# KiCad board Beacon_Multiboard.kicad_pcb
title: Beacon; date: 2023-09-02; rev: 1; company: Beep Boop
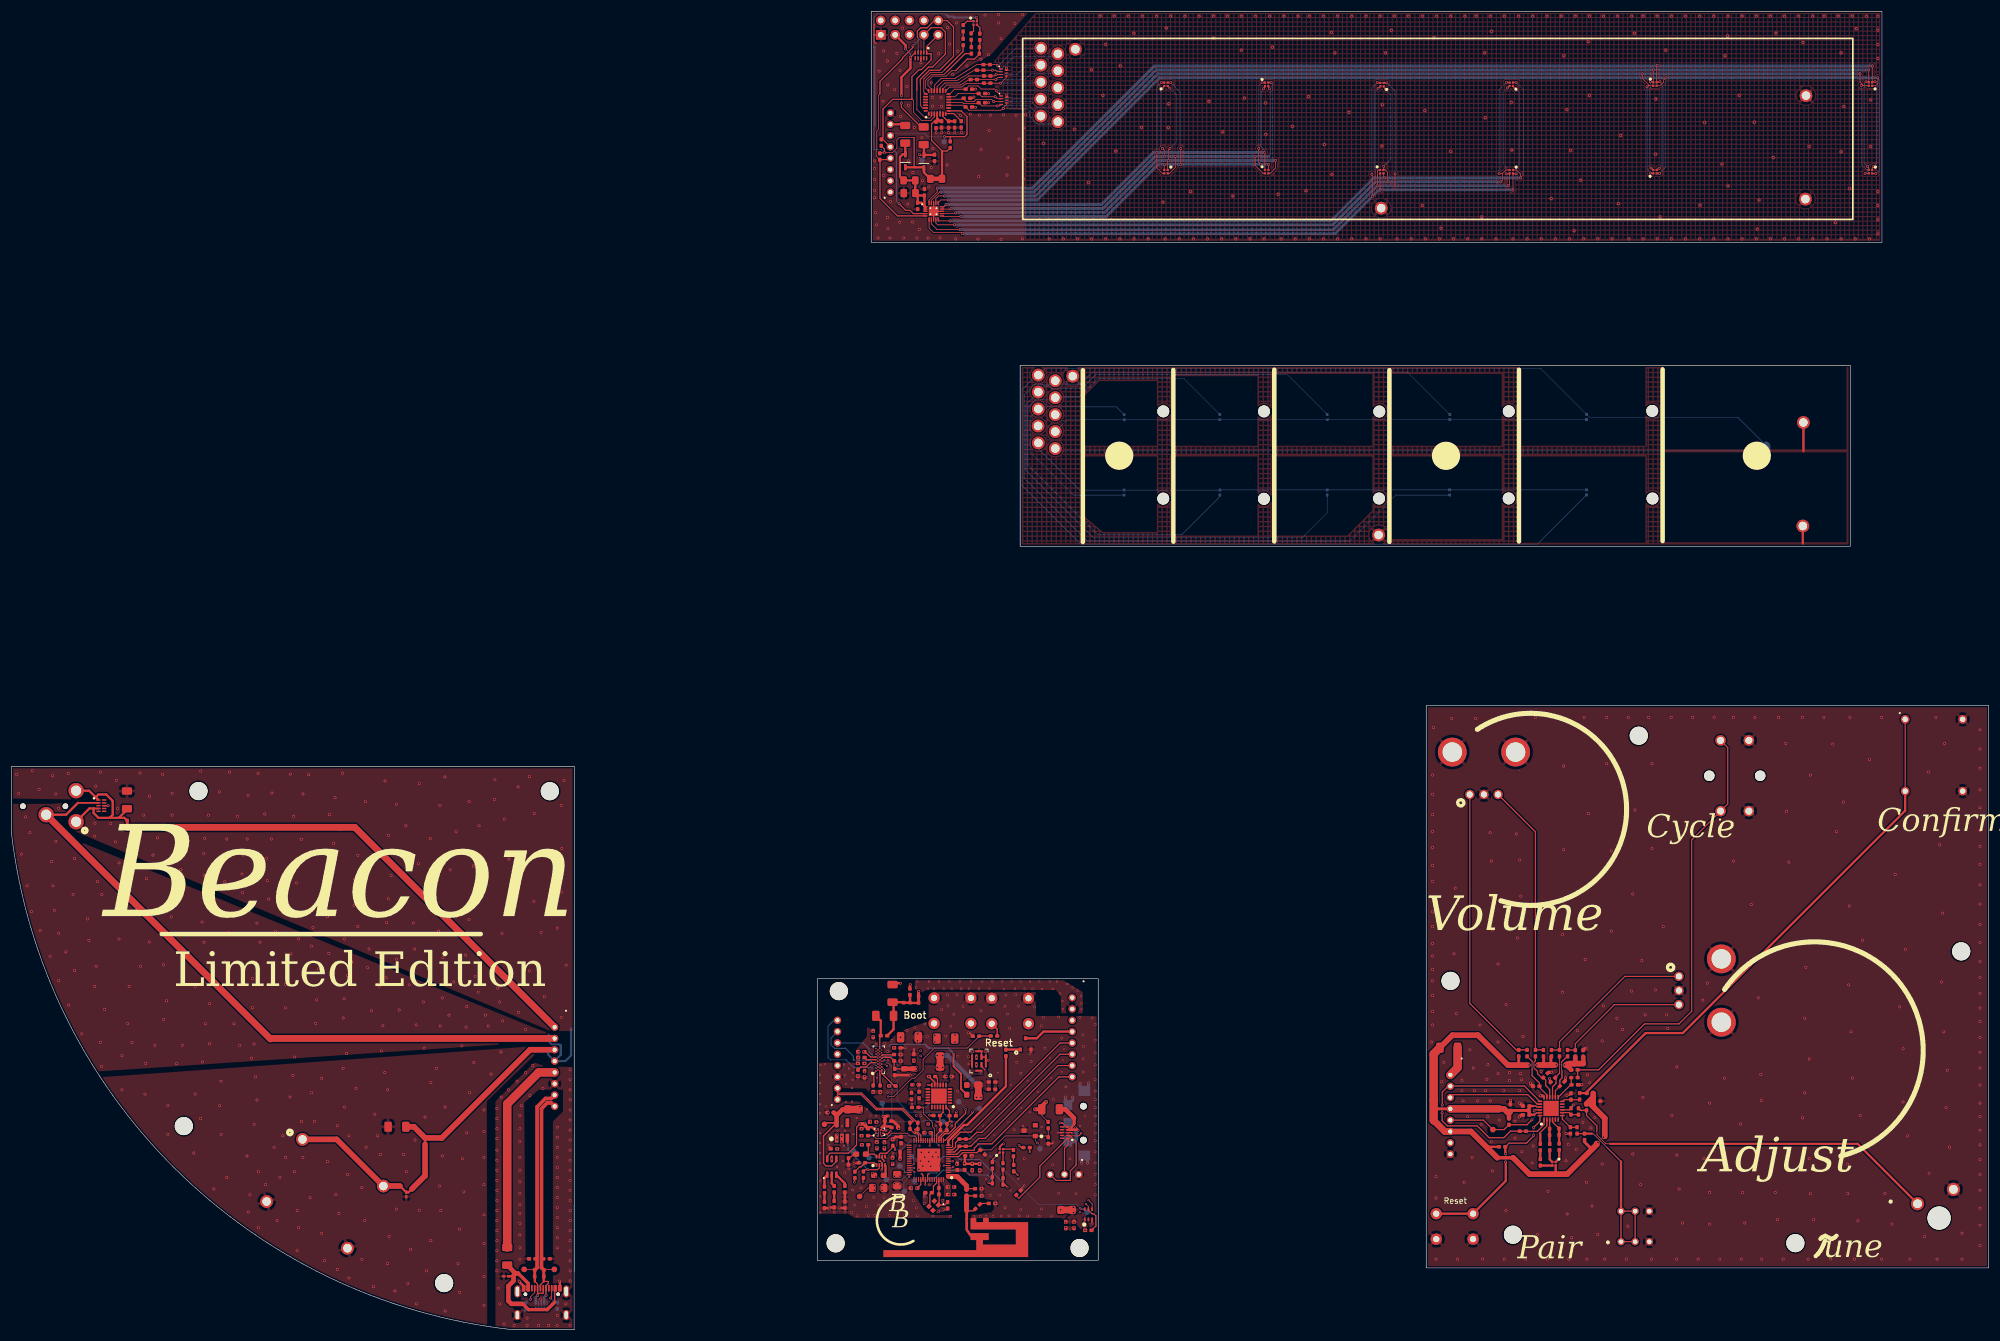
[diagram p0: board, top side]
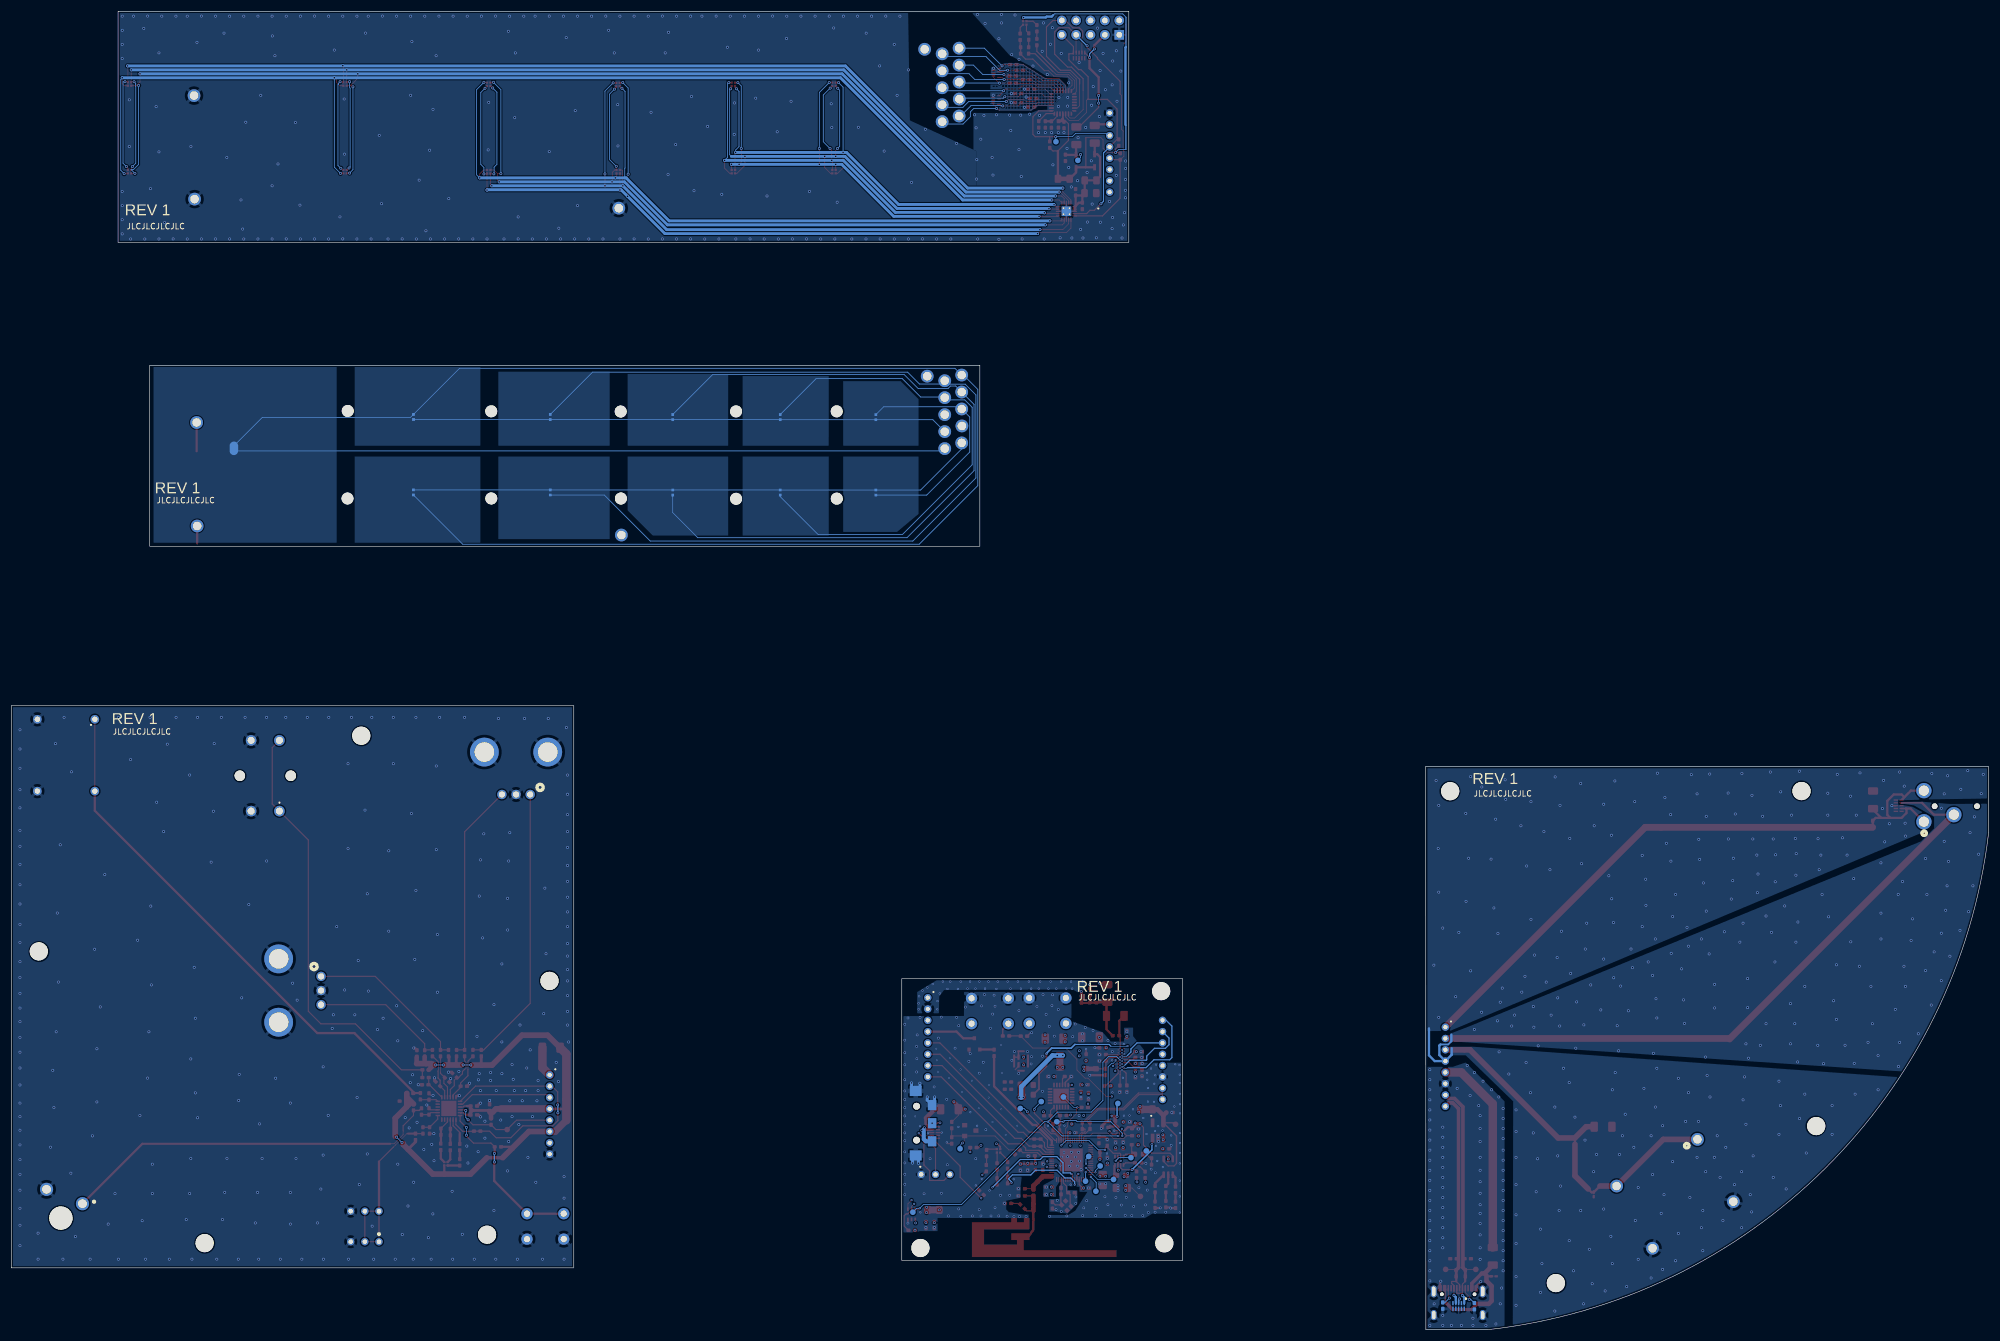
[diagram p1: board, bottom side, seen from below]

Outline 349.59 x 233.11 mm; copper layers: Top, In1.Cu, In2.Cu, In3.Cu, In4.Cu, Bottom. Coordinates in mm from the lower left corner of the outline.
Outline path: rectangle 142.49,62.07 192.16,12.24 ; rectangle 152.03,233.11 330.72,192.21 ; rectangle 178.36,170.52 325.13,138.52 ; rectangle 250.15,110.37 349.59,10.93 ; 0,99.57 99.54,99.57 99.5,0 88.58,0 arc(28.95,28.47) 0.01,87.88 0,99.57
Stack: Top 0.035mm / dielectric 0.1mm FR4 er 4.5 / In1.Cu 0.035mm / dielectric 0.535mm FR4 er 4.5 / In2.Cu 0.035mm / dielectric 0.1mm FR4 er 4.5 / In3.Cu 0.035mm / dielectric 0.535mm FR4 er 4.5 / In4.Cu 0.035mm / dielectric 0.1mm FR4 er 4.5 / Bottom 0.035mm

## Placement (name value [footprint] x y rotation side)
AE801  F-ANTENNA  [2.4GHz_Inverted_F_Antenna]  154.19 12.84 180 top
Audio  -  [Board]  99.24 99.55 0 top
C301  1u00_0402_10  [0402_1005Metric_Handsolder]  277.88 48.84 270 top
C302  1u00_0402_10  [0402_1005Metric_Handsolder]  280.37 40.41 180 top
C303  1u00_0402_10  [0402_1005Metric_Handsolder]  161.43 201.11 270 top
C401  100n_0402_16  [0402_1005Metric_Handsolder]  160.23 198.7 90 top
C402  10u0_0805_16  [0805_2012Metric_Handsolder]  158.84 200.98 0 top
C403  1u00_0402_10  [0402_1005Metric_Handsolder]  163.48 213.02 90 top
C404  1u00_0402_10  [0402_1005Metric_Handsolder]  163.23 207.2 90 top
C405  10n0_0402_25  [0402_1005Metric_Handsolder]  164.47 213.12 90 top
C406  ????_0402_25  [0402_1005Metric_Handsolder]  169.28 216.19 180 top
C407  100n_0402_16  [0402_1005Metric_Handsolder]  166.78 213.1 90 top
C408  1u00_0402_10  [0402_1005Metric_Handsolder]  165.71 213.1 90 top
C409  100n_0402_16  [0402_1005Metric_Handsolder]  167.95 213.12 90 top
C410  ????_0402_25  [0402_1005Metric_Handsolder]  171.59 216.95 180 top
C411  ????_0402_25  [0402_1005Metric_Handsolder]  168.95 217.74 180 top
C412  ????_0402_25  [0402_1005Metric_Handsolder]  171.59 218.58 180 top
C413  ????_0402_25  [0402_1005Metric_Handsolder]  169.28 219.34 180 top
C501  4u70_0402_10  [0402_1005Metric_Handsolder]  154.35 32.59 270 top
C502  10u0_0805_16  [0805_2012Metric_Handsolder]  153.23 25.04 180 top
C503  10u0_0805_16  [0805_2012Metric_Handsolder]  156.6 26.47 90 top
C504  1u00_0402_10  [0402_1005Metric_Handsolder]  150.88 35.56 0 top
C505  1u00_0402_10  [0402_1005Metric_Handsolder]  152.37 36.72 0 top
C506  1u00_0402_10  [0402_1005Metric_Handsolder]  154.99 36.88 180 top
C507  100n_0402_16  [0402_1005Metric_Handsolder]  155.84 33.09 90 top
C508  100n_0402_16  [0402_1005Metric_Handsolder]  171.72 31.38 135 top
C509  1u00_1206_10_T  [1206_3216Metric_Handsolder]  20.44 93.7 90 top
C511  ????_0402_10  [0402_1005Metric_Handsolder]  153.03 32.62 270 top
C512  ????_0402_10  [0402_1005Metric_Handsolder]  155.82 29.86 270 top
C513  ????_0402_10  [0402_1005Metric_Handsolder]  156.19 35.76 180 top
C514  1u00_1206_10_T  [1206_3216Metric_Handsolder]  68.16 35.89 180 top
C531  ????_0402_25  [0402_1005Metric_Handsolder]  92.1 12.54 0 top
C532  ????_0402_25  [0402_1005Metric_Handsolder]  94.63 12.54 180 top
C533  1u00_0402_10  [0402_1005Metric_Handsolder]  145.45 31.98 0 top
C534  1u00_0402_10  [0402_1005Metric_Handsolder]  144.83 38.4 0 top
C601  ????_0402_25  [0402_1005Metric_Handsolder]  159.56 48.14 270 top
C602  ????_0402_25  [0402_1005Metric_Handsolder]  156.19 45.56 90 top
C603  1u00_0402_10  [0402_1005Metric_Handsolder]  156.64 47.51 180 top
C604  1u00_0402_10  [0402_1005Metric_Handsolder]  150.27 49.14 0 top
C605  1u00_0402_10  [0402_1005Metric_Handsolder]  152.37 52.27 270 top
C606  1u00_0402_10  [0402_1005Metric_Handsolder]  150.85 45.17 90 top
C607  1u00_1206_10_T  [1206_3216Metric_Handsolder]  154.43 55.49 0 top
C608  1u00_0402_10  [0402_1005Metric_Handsolder]  154.28 51.98 0 top
C609  1u00_0402_10  [0402_1005Metric_Handsolder]  158.87 59.75 90 top
C610  1u00_1206_10_T  [1206_3216Metric_Handsolder]  155.8 59.48 90 top
C611  1u00_1206_10_T  [1206_3216Metric_Handsolder]  158.8 51.7 0 top
C612  1u00_0402_10  [0402_1005Metric_Handsolder]  156.65 49.83 0 top
C613  1u00_0402_10  [0402_1005Metric_Handsolder]  155.76 43.1 0 top
C614  1u00_0402_10  [0402_1005Metric_Handsolder]  149.68 45.39 90 top
C615  1u00_0402_10  [0402_1005Metric_Handsolder]  150.28 48.12 0 top
C616  1u00_0402_10  [0402_1005Metric_Handsolder]  150.25 47.08 0 top
C617  1u00_0402_10  [0402_1005Metric_Handsolder]  152.37 42.62 90 top
C618  1u00_0402_10  [0402_1005Metric_Handsolder]  153.6 42.6 90 top
C619  1u00_0402_10  [0402_1005Metric_Handsolder]  156.64 48.65 180 top
C701  1u00_0402_10  [0402_1005Metric_Handsolder]  166.14 25.22 180 top
C702  100n_0402_16  [0402_1005Metric_Handsolder]  166.17 23.89 180 top
C703  100n_0402_16  [0402_1005Metric_Handsolder]  161.99 34.81 0 top
C704  ????_0402_10  [0402_1005Metric_Handsolder]  171.2 28.74 90 top
C705  1u00_0402_10  [0402_1005Metric_Handsolder]  169.89 28.77 90 top
C706  100n_0402_16  [0402_1005Metric_Handsolder]  169.21 30.74 180 top
C707  100n_0402_16  [0402_1005Metric_Handsolder]  167.24 28.8 270 top
C708  100n_0402_16  [0402_1005Metric_Handsolder]  157.3 33.53 270 top
C709  100n_0402_16  [0402_1005Metric_Handsolder]  159.61 25.04 0 top
C710  3p90_0402_25  [0402_1005Metric_Handsolder]  165.53 21.99 90 top
C711  3p90_0402_25  [0402_1005Metric_Handsolder]  162.16 24.22 0 top
C801  100n_0402_16  [0402_1005Metric_Handsolder]  170.56 51.9 0 top
C802  3p30_0402_50_N  [0402_1005Metric_Handsolder]  170.98 23.66 180 top
C803  3p60_0402_50_N  [0402_1005Metric_Handsolder]  170.95 24.93 180 top
C804  100n_0402_16  [0402_1005Metric_Handsolder]  173.38 22.32 180 top
C1001  100n_0402_16  [0402_1005Metric_Handsolder]  160.49 41.51 90 top
C1002  4u70_0402_10  [0402_1005Metric_Handsolder]  159.86 43.31 0 top
C1003  10n0_0402_25  [0402_1005Metric_Handsolder]  165.7 44.76 180 top
C1004  1u00_0402_10  [0402_1005Metric_Handsolder]  162.78 44.76 0 top
C1005  ????_0402_10  [0402_1005Metric_Handsolder]  159.15 41.3 90 top
C1101  4u70_0402_10  [0402_1005Metric_Handsolder]  187.88 18.51 90 top
C1102  100n_0402_16  [0402_1005Metric_Handsolder]  186.43 18.51 90 top
C1201  4u70_0402_10  [0402_1005Metric_Handsolder]  173.39 43.8 180 top
C1202  100n_0402_16  [0402_1005Metric_Handsolder]  173.38 42.52 180 top
C1401  100n_0402_16  [0402_1005Metric_Handsolder]  276.41 43.3 180 top
C1402  100n_0402_16  [0402_1005Metric_Handsolder]  275.75 41.23 270 top
C1403  100n_0402_16  [0402_1005Metric_Handsolder]  275.64 35.23 90 top
C1404  100n_0402_16  [0402_1005Metric_Handsolder]  275.75 38.59 270 top
C1405  10n0_0402_25  [0402_1005Metric_Handsolder]  269.6 43.05 0 top
C1406  10n0_0402_25  [0402_1005Metric_Handsolder]  271.22 44.98 225 top
C1407  10n0_0402_25  [0402_1005Metric_Handsolder]  272.55 44.17 45 top
C1408  10n0_0402_25  [0402_1005Metric_Handsolder]  274.17 43.46 225 top
C1501  100n_0402_16  [0402_1005Metric_Handsolder]  267.82 37.97 0 top
C1502  100n_0402_16  [0402_1005Metric_Handsolder]  265.03 39.27 270 top
C1503  1u00_0402_10  [0402_1005Metric_Handsolder]  267.82 39.55 0 top
C1603  ~  [TOUCH_SENSE]  278.49 161.38 270 bottom
C1604  ~  [TOUCH_SENSE]  254.31 161.37 270 bottom
C1605  ~  [TOUCH_SENSE]  232.66 161.36 270 bottom
C1606  ~  [TOUCH_SENSE]  213.65 161.36 270 bottom
C1607  ~  [TOUCH_SENSE]  196.75 161.34 270 bottom
C1609  ~  [TOUCH_SENSE]  278.5 148.04 90 bottom
C1610  ~  [TOUCH_SENSE]  254.3 148.03 90 bottom
C1611  ~  [TOUCH_SENSE]  232.66 148.02 90 bottom
C1612  ~  [TOUCH_SENSE]  213.65 148.02 90 bottom
C1613  ~  [TOUCH_SENSE]  196.75 148.01 90 bottom
C1618  ~  [TOUCH_SENSE]  310.24 155.83 270 bottom
D401  UHD1110  [UHD1110FKACL1A13r3q1BBQFMF3]  242.34 220.15 180 top
D402  UHD1110  [UHD1110FKACL1A13r3q1BBQFMF3]  242.29 204.75 0 top
D403  UHD1110  [UHD1110FKACL1A13r3q1BBQFMF3]  265.19 220.2 180 top
D404  UHD1110  [UHD1110FKACL1A13r3q1BBQFMF3]  265.19 204.75 270 top
D405  UHD1110  [UHD1110FKACL1A13r3q1BBQFMF3]  204.14 220.2 90 top
D406  UHD1110  [UHD1110FKACL1A13r3q1BBQFMF3]  204.14 204.75 270 top
D407  UHD1110  [UHD1110FKACL1A13r3q1BBQFMF3]  221.94 220.2 0 top
D408  UHD1110  [UHD1110FKACL1A13r3q1BBQFMF3]  221.94 204.75 0 top
D409  UHD1110  [UHD1110FKACL1A13r3q1BBQFMF3]  290.59 220.25 0 top
D410  UHD1110  [UHD1110FKACL1A13r3q1BBQFMF3]  290.59 204.75 90 top
D411  UHD1110  [UHD1110FKACL1A13r3q1BBQFMF3]  328.69 220.25 180 top
D412  UHD1110  [UHD1110FKACL1A13r3q1BBQFMF3]  328.69 204.75 270 top
D413  1N4148WX-TP  [SOD2512X115N]  158.07 206.69 90 top
D414  1N4148WX-TP  [SOD2512X115N]  161.35 206.51 90 top
D415  PESD4USB5B  [PESD4USB5BTBSX]  160.81 225.32 180 top
D416  -  [PUSB3TB6AZ]  175.45 222.18 0 top
D417  UHD1110  [UHD1110FKACL1A13r3q1BBQFMF3]  170.42 231.05 0 top
D418  -  [PUSB3TB6AZ]  175.5 217.4 0 top
D501  CLYBA-FKA  [CLYBA-FKA-CFHHKL9BBB7a363]  145.05 28.79 90 top
D502  ESDZV5HS-1BF4  [0201_0804Metric_Handsolder]  87.47 9.44 180 top
D503  BZX84C5V6-TP  [SOT23_Handsolder]  180.04 35.2 180 top
D504  PESD4USB5B  [PESD4USB5BTBSX]  15.9 92.65 270 top
D505  PESD4USB5B  [PESD4USB5BTBSX]  93.71 4.21 0 bottom
D506  TVSL02V03C011  [0201_0804Metric_Handsolder]  69.83 23.93 270 top
D507  PESD4USB5B  [PESD4USB5BTBSX]  186.29 34.85 90 top
D801  UHD1110  [UHD1110FKACL1A13r3q1BBQFMF3]  175.05 31.63 90 top
D1501  UHD1110  [UHD1110FKACL1A13r3q1BBQFMF3]  272.74 29.34 270 top
F201  1A1_1206_08  [1206_3216Metric_Handsolder]  165.2 51.47 180 top
F301  1A1_1206_08  [1206_3216Metric_Handsolder]  254.1 49.86 180 top
F401  1A1_1206_08  [1206_3216Metric_Handsolder]  158.05 211.34 270 top
F402  1A1_1206_08  [1206_3216Metric_Handsolder]  161.3 211.08 270 top
F501  1A1_1206_08  [1206_3216Metric_Handsolder]  183.71 38.97 180 top
F502  1A1_1206_08  [1206_3216Metric_Handsolder]  87.68 13 90 top
FLED  -  [Board]  152.39 233.1 0 top
H401  Plated_Through_Hole  [Plated_Hole_D1.5mm]  182.02 226.59 0 top
H402  Plated_Through_Hole  [Plated_Hole_D1.5mm]  185.02 225.59 0 top
H403  Plated_Through_Hole  [Plated_Hole_D1.5mm]  182.02 223.59 0 top
H404  Plated_Through_Hole  [Plated_Hole_D1.5mm]  185.02 222.59 0 top
H405  Plated_Through_Hole  [Plated_Hole_D1.5mm]  182.02 220.59 0 top
H406  Plated_Through_Hole  [Plated_Hole_D1.5mm]  181.56 168.79 0 top
H407  Plated_Through_Hole  [Plated_Hole_D1.5mm]  184.56 167.79 0 top
H408  Plated_Through_Hole  [Plated_Hole_D1.5mm]  181.56 165.79 0 top
H409  Plated_Through_Hole  [Plated_Hole_D1.5mm]  184.56 164.79 0 top
H410  Plated_Through_Hole  [Plated_Hole_D1.5mm]  181.56 162.79 0 top
H411  Plated_Through_Hole  [Plated_Hole_D1.5mm]  185.02 213.59 0 top
H412  Plated_Through_Hole  [Plated_Hole_D1.5mm]  184.56 155.79 0 top
H413  Plated_Through_Hole  [Plated_Hole_D1.5mm]  182.02 214.59 0 top
H414  Plated_Through_Hole  [Plated_Hole_D1.5mm]  181.56 156.79 0 top
H415  Plated_Through_Hole  [Plated_Hole_D1.5mm]  185.02 216.59 0 top
H416  Plated_Through_Hole  [Plated_Hole_D1.5mm]  184.56 158.79 0 top
H417  Plated_Through_Hole  [Plated_Hole_D1.5mm]  181.99 217.59 0 top
H418  Plated_Through_Hole  [Plated_Hole_D1.5mm]  181.53 159.79 0 top
H419  Plated_Through_Hole  [Plated_Hole_D1.5mm]  187.66 168.59 0 top
H420  Plated_Through_Hole  [Plated_Hole_D1.5mm]  241.73 140.5 0 top
H421  Plated_Through_Hole  [Plated_Hole_D1.5mm]  316.73 142.1 0 top
H422  Plated_Through_Hole  [Plated_Hole_D1.5mm]  316.83 160.4 0 top
H423  Plated_Through_Hole  [Plated_Hole_D1.5mm]  185.02 219.59 0 top
H424  Plated_Through_Hole  [Plated_Hole_D1.5mm]  184.56 161.79 0 top
H425  Plated_Through_Hole  [Plated_Hole_D1.5mm]  242.19 198.3 0 top
H426  Plated_Through_Hole  [Plated_Hole_D1.5mm]  317.19 199.9 0 top
H427  Plated_Through_Hole  [Plated_Hole_D1.5mm]  317.29 218.2 0 top
H428  Plated_Through_Hole  [Plated_Hole_D1.5mm]  188.12 226.39 0 top
J101  Conn_01x08_Pin  [CONN_1x08_P2.00mm_Horizontal]  187.56 51.7 270 top
J102  Conn_01x08_Pin  [CONN_1x08_P2.00mm_Horizontal]  155.41 208.14 90 bottom
J104  Conn_01x08_Pin  [CONN_1x08_P2.00mm_Horizontal]  254.41 38.04 270 top
J105  Conn_01x08_Pin  [CONN_1x08_P2.00mm_Horizontal]  96.06 46.49 270 top
J106  Conn_01x08_Pin  [CONN_1x08_P2.00mm_Horizontal]  146.06 47.71 90 bottom
J401  0805  [0805_CUT-N-JUMP]  158.78 203.21 0 top
J402  0402  [0402_CUT-N-JUMP]  172.47 223.66 0 top
J403  0402  [0402_CUT-N-JUMP]  171.33 222.67 0 top
J404  Conn_02x05_Odd_Even  [PinHeader_2x05_P2.54]  158.95 230.22 90 top
J405  0402  [0402_CUT-N-JUMP]  172.57 221.65 0 top
J406  0402  [0402_CUT-N-JUMP]  170.19 221.02 0 top
J407  0402  [0402_CUT-N-JUMP]  172.55 220.38 0 top
J408  0805  [0805_CUT-N-JUMP]  163.51 203.49 180 top
J409  0402  [0402_CUT-N-JUMP]  171.18 226.21 90 top
J410  0402  [0402_1005Metric_Handsolder]  148 29.76 90 top
J501  Conn_01x03_Pin  [LEAF_17461421]  188.92 36.51 90 bottom
J502  0402  [0402_1005Metric_Handsolder]  147.38 22.09 90 top
J503  0402  [0402_CUT-N-JUMP]  20.52 89.45 90 top
J505  0402  [0402_CUT-N-JUMP]  73.17 33.36 90 top
J508  0402  [0402_CUT-N-JUMP]  92.55 10 90 top
J509  Conn_01x03_Pin  [STX3000]  6.21 92.56 0 top
J510  USB_C_Receptacle_USB2.0  [USB4105-GF-A]  93.79 3.94 0 top
J511  0402  [0402_CUT-N-JUMP]  94.18 10 90 top
J513  Conn_01x02_Pin  [NYS2162U]  55.63 24.04 330 top
J601  0603  [0603_CUT-N-JUMP]  158.72 46.13 0 top
J603  0805  [0805_CUT-N-JUMP]  148.88 38.95 0 top
J604  0402  [0402_CUT-N-JUMP]  160.43 58.41 90 top
J605  0402  [0402_CUT-N-JUMP]  158.35 57.8 0 top
J701  0402  [0402_CUT-N-JUMP]  157.16 30.85 90 top
J702  0402  [0402_CUT-N-JUMP]  163.97 24.47 270 top
J703  0402  [0402_CUT-N-JUMP]  164.3 35.85 90 top
J704  0402  [0402_CUT-N-JUMP]  165.44 35.85 90 top
J705  0402  [0402_CUT-N-JUMP]  168.16 33.73 180 top
J706  0402  [0402_CUT-N-JUMP]  168.17 32.46 180 top
J708  PAD_S  [PAD_SMALL]  162.09 36.37 0 top
J801  0402  [0402_CUT-N-JUMP]  175.3 26.2 270 top
J802  0402  [0402_CUT-N-JUMP]  173.42 26.4 270 top
J803  0402  [0402_CUT-N-JUMP]  168.94 21.63 90 top
J804  0402  [0402_CUT-N-JUMP]  167.81 26.54 135 top
J1001  0805  [0805_CUT-N-JUMP]  164.19 47.42 270 top
J1101  0805  [0805_CUT-N-JUMP]  186.56 21.18 0 top
J1201  0805  [0805_CUT-N-JUMP]  170.96 42.25 90 top
J1501  0402  [0402_CUT-N-JUMP]  267.26 35.08 0 top
J1502  0402  [0402_CUT-N-JUMP]  271.99 34.97 90 top
J1503  0402  [0402_CUT-N-JUMP]  273.66 35.02 90 top
J1609  0402  [0402_CUT-N-JUMP]  160.23 36.01 270 top
J1610  0402  [0402_CUT-N-JUMP]  158.86 36.02 270 top
L501  22u0_0630_1A0_P  [0603_1608Metric_Handsolder]  153.39 27.27 180 top
L701  2n00_0402_1A0_P  [0402_1005Metric_Handsolder]  168.54 28.81 270 top
L801  2n00_0402_???_R  [0402_1005Metric_Handsolder]  168.88 24.23 90 top
L802  20n0_0402_???_R  [0402_1005Metric_Handsolder]  170.83 21.76 225 top
Main  -  [Board]  142.79 62.1 0 top
MK1201  MP34DT05-A  [MP34DT05TRA]  171.07 47.51 180 top
NOREF  -  [Mounting_Hole_M3]  315.45 15.34 0 top
NOREF#2  -  [Mounting_Hole_M3]  76.56 8.28 0 top
NOREF#3  -  [Mounting_Hole_M3]  188.9 14.48 0 top
NOREF#4  -  [Mounting_Hole_M3]  265.52 16.83 0 top
NOREF#5  -  [Mounting_Hole_M3]  95.24 95.25 0 top
NOREF#6  -  [Mounting_Hole_M3]  30.53 36.04 0 top
NOREF#7  -  [Mounting_Hole_M3]  145.78 15.31 0 top
NOREF#8  -  [Mounting_Hole_M3]  344.77 66.93 0 top
NOREF#9  -  [Mounting_Hole_M3]  33.13 95.27 0 top
NOREF#10  -  [Mounting_Hole_M3]  287.76 105.06 0 top
NOREF#11  -  [Mounting_Hole_M3]  254.48 61.71 0 top
PS501  TPS629206  [SOT-583-8]  153.72 29.87 90 top
PS502  BQ21080  [BGA8C40P2X4_104X159X50]  153.49 34.99 90 top
PS503  MIC5504-5-SOT23  [SOT23-5_Handsoldering]  146.86 35.22 90 top
Q1301  T2N7002AK,LM  [TBAT54CLM]  179.22 50.43 90 top
R401  4k70_0402_010  [0402_1005Metric_Handsolder]  153.8 209.89 270 top
R402  4k70_0402_010  [0402_1005Metric_Handsolder]  153.52 207.43 90 top
R403  1k00_0402_010  [0402_1005Metric_Handsolder]  171.23 228.6 90 top
R405  0330_0402_010  [0402_1005Metric_Handsolder]  169.7 228.64 90 top
R406  0100_0402_010  [0402_1005Metric_Handsolder]  169.73 226.19 90 top
R407  0330_0402_010  [0402_1005Metric_Handsolder]  168.28 230.11 90 top
R408  0100_0402_010  [0402_1005Metric_Handsolder]  168.28 227.67 90 top
R409  47k0_0402_010  [0402_1005Metric_Handsolder]  166 209.53 90 top
R501  ????_0402_010  [0402_1005Metric_Handsolder]  149.14 27.38 270 top
R502  ????_0402_010  [0402_1005Metric_Handsolder]  150.94 32.69 180 top
R503  ????_0402_010  [0402_1005Metric_Handsolder]  150.37 29.5 0 top
R504  27k4_0603_010  [0603_1608Metric_Handsolder]  150.22 31.05 0 top
R505  47k0_0402_010  [0402_1005Metric_Handsolder]  150.65 27.41 270 top
R506  47k0_0402_010  [0402_1005Metric_Handsolder]  179.49 32.2 180 top
R507  47k0_0402_010  [0402_1005Metric_Handsolder]  150.88 34.3 180 top
R508  220k_0402_010  [0402_1005Metric_Handsolder]  178.07 24.23 225 top
R509  10k0_0402_010  [0402_1005Metric_Handsolder]  183.32 36.17 90 top
R510  15k0_0402_010  [0402_1005Metric_Handsolder]  183.33 33.46 90 top
R511  0470_0402_010  [0402_1005Metric_Handsolder]  147.37 24.85 90 top
R512  0470_0402_010  [0402_1005Metric_Handsolder]  145.48 24.84 90 top
R513  1k00_0402_010  [0402_1005Metric_Handsolder]  143.76 24.74 90 top
R515  0033_0402_010  [0402_1005Metric_Handsolder]  145.47 22.18 90 top
R516  0470_0402_010  [0402_1005Metric_Handsolder]  143.76 22.07 90 top
R517  5k10_0402_010  [0402_1005Metric_Handsolder]  90.93 4.15 90 bottom
R518  5k10_0402_010  [0402_1005Metric_Handsolder]  96.52 4.25 90 bottom
R701  4k70_0402_010  [0402_1005Metric_Handsolder]  163.6 37.87 180 top
R702  4k70_0402_010  [0402_1005Metric_Handsolder]  166.43 37.83 0 top
R801  0470_0402_010  [0402_1005Metric_Handsolder]  177.17 31.22 90 top
R802  0033_0402_010  [0402_1005Metric_Handsolder]  177.22 28.55 90 top
R803  0220_0402_010  [0402_1005Metric_Handsolder]  175.32 28.88 90 top
R804  2k20_0402_010  [0402_1005Metric_Handsolder]  173.73 51.93 180 top
R805  0220_0402_010  [0402_1005Metric_Handsolder]  173.45 29.06 90 top
R1001  47k0_0402_010  [0402_1005Metric_Handsolder]  159.81 39.3 0 top
R1101  10k0_0402_010  [0402_1005Metric_Handsolder]  190.41 17.57 180 top
R1201  0000_0805_010  [0603_1608Metric_Handsolder]  168.89 42.41 90 top
R1301  0220_0402_010  [0402_1005Metric_Handsolder]  175.84 48.94 90 top
R1401  10k0_0402_010  [0402_1005Metric_Handsolder]  276.36 45.95 0 top
R1402  10k0_0402_010  [0402_1005Metric_Handsolder]  279.1 41.78 180 top
R1403  10k0_0402_010  [0402_1005Metric_Handsolder]  278.13 34.1 90 top
R1404  10k0_0402_010  [0402_1005Metric_Handsolder]  278.49 39.34 270 top
R1405  2k20_0402_010  [0402_1005Metric_Handsolder]  276.36 44.57 180 top
R1406  2k20_0402_010  [0402_1005Metric_Handsolder]  277.27 41.27 270 top
R1407  2k20_0402_010  [0402_1005Metric_Handsolder]  276.81 35.23 90 top
R1408  2k20_0402_010  [0402_1005Metric_Handsolder]  277.07 38.58 270 top
R1409  10k0_0402_010  [0402_1005Metric_Handsolder]  266.5 48.9 90 top
R1410  10k0_0402_010  [0402_1005Metric_Handsolder]  270.87 48.89 270 top
R1411  10k0_0402_010  [0402_1005Metric_Handsolder]  272.29 48.89 90 top
R1412  10k0_0402_010  [0402_1005Metric_Handsolder]  276.51 48.84 270 top
R1413  10k0_0402_010  [0402_1005Metric_Handsolder]  267.97 48.9 90 top
R1414  10k0_0402_010  [0402_1005Metric_Handsolder]  269.45 48.9 90 top
R1415  10k0_0402_010  [0402_1005Metric_Handsolder]  273.71 48.89 90 top
R1416  10k0_0402_010  [0402_1005Metric_Handsolder]  275.14 48.89 90 top
R1501  2k20_0402_010  [0402_1005Metric_Handsolder]  264.77 36.8 90 top
R1502  2k20_0402_010  [0402_1005Metric_Handsolder]  263.56 32.33 180 top
R1503  0470_0402_010  [0402_1005Metric_Handsolder]  270.31 29.59 270 top
R1504  0033_0402_010  [0402_1005Metric_Handsolder]  270.31 32.28 270 top
R1505  0220_0402_010  [0402_1005Metric_Handsolder]  271.99 32.28 270 top
R1506  0220_0402_010  [0402_1005Metric_Handsolder]  273.66 32.33 270 top
REF**  -  [Mounting_Hole_M3]  146.34 59.9 0 top
REF**#2  -  [Hole_UHD1110_2.1mm]  264.73 146.97 0 top
REF**#3  -  [Hole_UHD1110_2.1mm]  290.15 146.96 0 top
REF**#4  -  [Hole_UHD1110_2.1mm]  221.45 146.91 0 top
REF**#5  -  [Hole_UHD1110_2.1mm]  241.85 162.34 0 top
REF**#6  -  [Hole_UHD1110_2.1mm]  221.46 162.36 0 top
REF**#7  -  [Hole_UHD1110_2.1mm]  264.74 162.38 0 top
REF**#8  -  [Hole_UHD1110_2.1mm]  290.11 162.44 0 top
REF**#9  -  [Hole_UHD1110_2.1mm]  241.81 146.96 0 top